# KiCad board rabbit_mask_capacitors.kicad_pcb (continued)
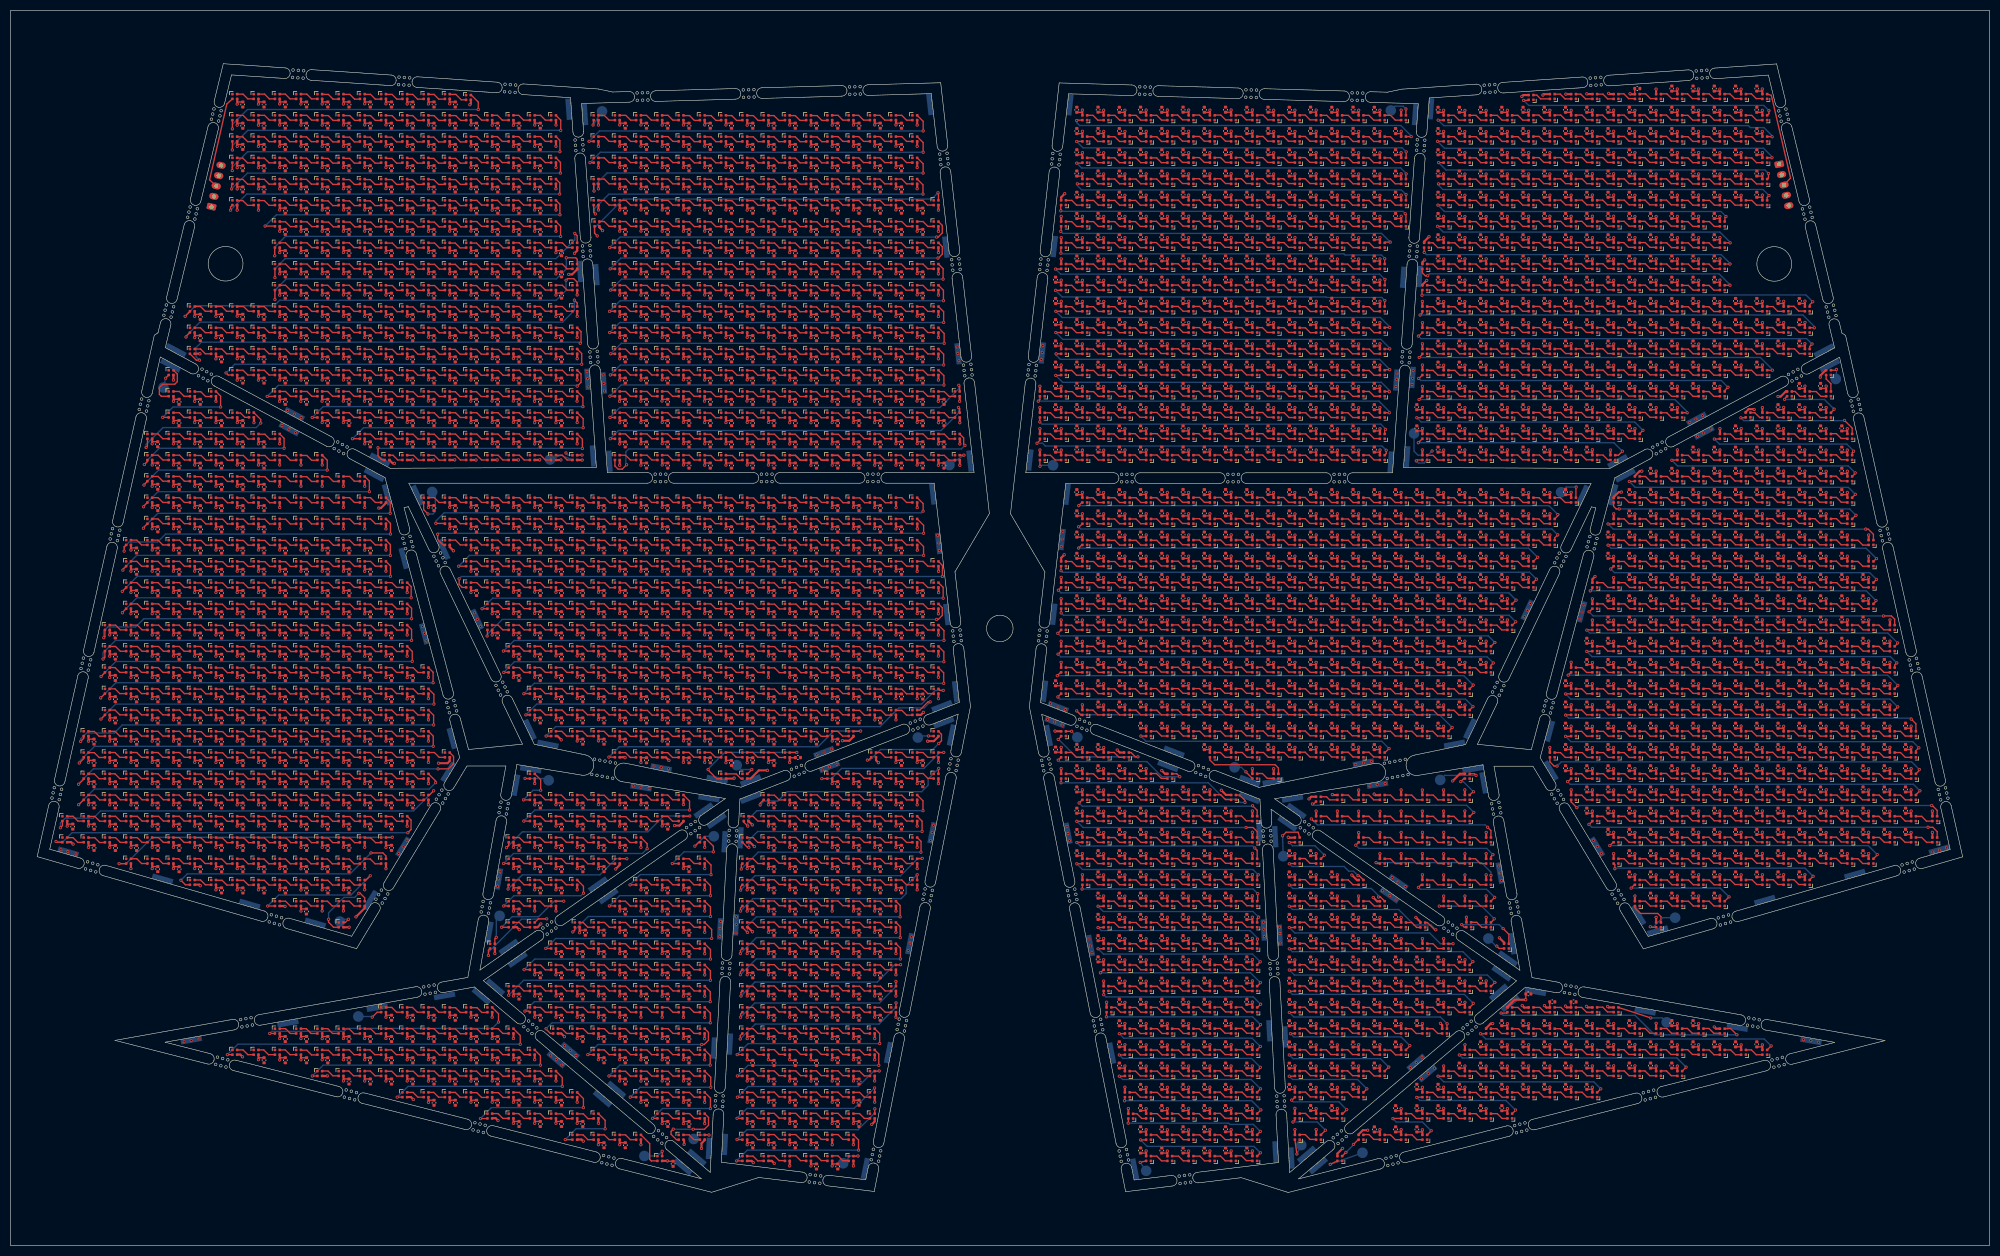
[diagram p0: board, top side]
## Placement (name value [footprint] x y rotation side) (continued)
D1761  SK6812-1515  [LED_SK6812_EC15_1.5x1.5mm]  218.2 180.36 180 top
D1762  SK6812-1515  [LED_SK6812_EC15_1.5x1.5mm]  222.2 180.36 180 top
D1763  SK6812-1515  [LED_SK6812_EC15_1.5x1.5mm]  226.2 180.36 180 top
D1764  SK6812-1515  [LED_SK6812_EC15_1.5x1.5mm]  230.2 180.36 180 top
D1765  SK6812-1515  [LED_SK6812_EC15_1.5x1.5mm]  234.2 180.36 180 top
D1766  SK6812-1515  [LED_SK6812_EC15_1.5x1.5mm]  238.2 180.36 180 top
D1767  SK6812-1515  [LED_SK6812_EC15_1.5x1.5mm]  242.2 180.36 180 top
D1768  SK6812-1515  [LED_SK6812_EC15_1.5x1.5mm]  246.2 180.36 180 top
D1769  SK6812-1515  [LED_SK6812_EC15_1.5x1.5mm]  250.2 180.36 180 top
D1770  SK6812-1515  [LED_SK6812_EC15_1.5x1.5mm]  254.2 180.36 180 top
D1771  SK6812-1515  [LED_SK6812_EC15_1.5x1.5mm]  258.2 180.36 180 top
D1772  SK6812-1515  [LED_SK6812_EC15_1.5x1.5mm]  266.2 180.36 180 top
D1773  SK6812-1515  [LED_SK6812_EC15_1.5x1.5mm]  270.2 180.36 180 top
D1774  SK6812-1515  [LED_SK6812_EC15_1.5x1.5mm]  274.2 180.36 180 top
D1775  SK6812-1515  [LED_SK6812_EC15_1.5x1.5mm]  278.2 180.36 180 top
D1776  SK6812-1515  [LED_SK6812_EC15_1.5x1.5mm]  282.2 180.36 180 top
D1777  SK6812-1515  [LED_SK6812_EC15_1.5x1.5mm]  286.2 180.36 180 top
D1778  SK6812-1515  [LED_SK6812_EC15_1.5x1.5mm]  290.2 180.36 180 top
D1779  SK6812-1515  [LED_SK6812_EC15_1.5x1.5mm]  294.2 180.36 180 top
D1780  SK6812-1515  [LED_SK6812_EC15_1.5x1.5mm]  298.2 180.36 180 top
D1781  SK6812-1515  [LED_SK6812_EC15_1.5x1.5mm]  302.2 180.36 180 top
D1782  SK6812-1515  [LED_SK6812_EC15_1.5x1.5mm]  306.2 180.36 180 top
D1783  SK6812-1515  [LED_SK6812_EC15_1.5x1.5mm]  310.2 180.36 180 top
D1784  SK6812-1515  [LED_SK6812_EC15_1.5x1.5mm]  314.2 180.36 180 top
D1785  SK6812-1515  [LED_SK6812_EC15_1.5x1.5mm]  318.2 180.36 180 top
D1786  SK6812-1515  [LED_SK6812_EC15_1.5x1.5mm]  322.2 180.36 180 top
D1787  SK6812-1515  [LED_SK6812_EC15_1.5x1.5mm]  198.2 176.36 180 top
D1788  SK6812-1515  [LED_SK6812_EC15_1.5x1.5mm]  202.2 176.36 180 top
D1789  SK6812-1515  [LED_SK6812_EC15_1.5x1.5mm]  206.2 176.36 180 top
D1790  SK6812-1515  [LED_SK6812_EC15_1.5x1.5mm]  210.2 176.36 180 top
D1791  SK6812-1515  [LED_SK6812_EC15_1.5x1.5mm]  214.2 176.36 180 top
D1792  SK6812-1515  [LED_SK6812_EC15_1.5x1.5mm]  218.2 176.36 180 top
D1793  SK6812-1515  [LED_SK6812_EC15_1.5x1.5mm]  222.2 176.36 180 top
D1794  SK6812-1515  [LED_SK6812_EC15_1.5x1.5mm]  226.2 176.36 180 top
D1795  SK6812-1515  [LED_SK6812_EC15_1.5x1.5mm]  230.2 176.36 180 top
D1796  SK6812-1515  [LED_SK6812_EC15_1.5x1.5mm]  234.2 176.36 180 top
D1797  SK6812-1515  [LED_SK6812_EC15_1.5x1.5mm]  238.2 176.36 180 top
D1798  SK6812-1515  [LED_SK6812_EC15_1.5x1.5mm]  242.2 176.36 180 top
D1799  SK6812-1515  [LED_SK6812_EC15_1.5x1.5mm]  246.2 176.36 180 top
D1800  SK6812-1515  [LED_SK6812_EC15_1.5x1.5mm]  250.2 176.36 180 top
D1801  SK6812-1515  [LED_SK6812_EC15_1.5x1.5mm]  254.2 176.36 180 top
D1802  SK6812-1515  [LED_SK6812_EC15_1.5x1.5mm]  258.2 176.36 180 top
D1803  SK6812-1515  [LED_SK6812_EC15_1.5x1.5mm]  266.2 176.36 180 top
D1804  SK6812-1515  [LED_SK6812_EC15_1.5x1.5mm]  270.2 176.36 180 top
D1805  SK6812-1515  [LED_SK6812_EC15_1.5x1.5mm]  274.2 176.36 180 top
D1806  SK6812-1515  [LED_SK6812_EC15_1.5x1.5mm]  278.2 176.36 180 top
D1807  SK6812-1515  [LED_SK6812_EC15_1.5x1.5mm]  282.2 176.36 180 top
D1808  SK6812-1515  [LED_SK6812_EC15_1.5x1.5mm]  286.2 176.36 180 top
D1809  SK6812-1515  [LED_SK6812_EC15_1.5x1.5mm]  290.2 176.36 180 top
D1810  SK6812-1515  [LED_SK6812_EC15_1.5x1.5mm]  294.2 176.36 180 top
D1811  SK6812-1515  [LED_SK6812_EC15_1.5x1.5mm]  298.2 176.36 180 top
D1812  SK6812-1515  [LED_SK6812_EC15_1.5x1.5mm]  302.2 176.36 180 top
D1813  SK6812-1515  [LED_SK6812_EC15_1.5x1.5mm]  306.2 176.36 180 top
D1814  SK6812-1515  [LED_SK6812_EC15_1.5x1.5mm]  310.2 176.36 180 top
D1815  SK6812-1515  [LED_SK6812_EC15_1.5x1.5mm]  314.2 176.36 180 top
D1816  SK6812-1515  [LED_SK6812_EC15_1.5x1.5mm]  318.2 176.36 180 top
D1817  SK6812-1515  [LED_SK6812_EC15_1.5x1.5mm]  322.2 176.36 180 top
D1818  SK6812-1515  [LED_SK6812_EC15_1.5x1.5mm]  326.2 176.36 180 top
D1819  SK6812-1515  [LED_SK6812_EC15_1.5x1.5mm]  330.2 176.36 180 top
D1820  SK6812-1515  [LED_SK6812_EC15_1.5x1.5mm]  334.2 176.36 180 top
D1821  SK6812-1515  [LED_SK6812_EC15_1.5x1.5mm]  338.2 176.36 180 top
D1822  SK6812-1515  [LED_SK6812_EC15_1.5x1.5mm]  198.2 172.36 180 top
D1823  SK6812-1515  [LED_SK6812_EC15_1.5x1.5mm]  202.2 172.36 180 top
D1824  SK6812-1515  [LED_SK6812_EC15_1.5x1.5mm]  206.2 172.36 180 top
D1825  SK6812-1515  [LED_SK6812_EC15_1.5x1.5mm]  210.2 172.36 180 top
D1826  SK6812-1515  [LED_SK6812_EC15_1.5x1.5mm]  214.2 172.36 180 top
D1827  SK6812-1515  [LED_SK6812_EC15_1.5x1.5mm]  218.2 172.36 180 top
D1828  SK6812-1515  [LED_SK6812_EC15_1.5x1.5mm]  222.2 172.36 180 top
D1829  SK6812-1515  [LED_SK6812_EC15_1.5x1.5mm]  226.2 172.36 180 top
D1830  SK6812-1515  [LED_SK6812_EC15_1.5x1.5mm]  230.2 172.36 180 top
D1831  SK6812-1515  [LED_SK6812_EC15_1.5x1.5mm]  234.2 172.36 180 top
D1832  SK6812-1515  [LED_SK6812_EC15_1.5x1.5mm]  238.2 172.36 180 top
D1833  SK6812-1515  [LED_SK6812_EC15_1.5x1.5mm]  242.2 172.36 180 top
D1834  SK6812-1515  [LED_SK6812_EC15_1.5x1.5mm]  246.2 172.36 180 top
D1835  SK6812-1515  [LED_SK6812_EC15_1.5x1.5mm]  250.2 172.36 180 top
D1836  SK6812-1515  [LED_SK6812_EC15_1.5x1.5mm]  254.2 172.36 180 top
D1837  SK6812-1515  [LED_SK6812_EC15_1.5x1.5mm]  258.2 172.36 180 top
D1838  SK6812-1515  [LED_SK6812_EC15_1.5x1.5mm]  266.2 172.36 180 top
D1839  SK6812-1515  [LED_SK6812_EC15_1.5x1.5mm]  270.2 172.36 180 top
D1840  SK6812-1515  [LED_SK6812_EC15_1.5x1.5mm]  274.2 172.36 180 top
D1841  SK6812-1515  [LED_SK6812_EC15_1.5x1.5mm]  278.2 172.36 180 top
D1842  SK6812-1515  [LED_SK6812_EC15_1.5x1.5mm]  282.2 172.36 180 top
D1843  SK6812-1515  [LED_SK6812_EC15_1.5x1.5mm]  286.2 172.36 180 top
D1844  SK6812-1515  [LED_SK6812_EC15_1.5x1.5mm]  290.2 172.36 180 top
D1845  SK6812-1515  [LED_SK6812_EC15_1.5x1.5mm]  294.2 172.36 180 top
D1846  SK6812-1515  [LED_SK6812_EC15_1.5x1.5mm]  298.2 172.36 180 top
D1847  SK6812-1515  [LED_SK6812_EC15_1.5x1.5mm]  302.2 172.36 180 top
D1848  SK6812-1515  [LED_SK6812_EC15_1.5x1.5mm]  306.2 172.36 180 top
D1849  SK6812-1515  [LED_SK6812_EC15_1.5x1.5mm]  310.2 172.36 180 top
D1850  SK6812-1515  [LED_SK6812_EC15_1.5x1.5mm]  314.2 172.36 180 top
D1851  SK6812-1515  [LED_SK6812_EC15_1.5x1.5mm]  318.2 172.36 180 top
D1852  SK6812-1515  [LED_SK6812_EC15_1.5x1.5mm]  322.2 172.36 180 top
D1853  SK6812-1515  [LED_SK6812_EC15_1.5x1.5mm]  326.2 172.36 180 top
D1854  SK6812-1515  [LED_SK6812_EC15_1.5x1.5mm]  330.2 172.36 180 top
D1855  SK6812-1515  [LED_SK6812_EC15_1.5x1.5mm]  334.2 172.36 180 top
D1856  SK6812-1515  [LED_SK6812_EC15_1.5x1.5mm]  338.2 172.36 180 top
D1857  SK6812-1515  [LED_SK6812_EC15_1.5x1.5mm]  198.2 168.36 180 top
D1858  SK6812-1515  [LED_SK6812_EC15_1.5x1.5mm]  202.2 168.36 180 top
D1859  SK6812-1515  [LED_SK6812_EC15_1.5x1.5mm]  206.2 168.36 180 top
D1860  SK6812-1515  [LED_SK6812_EC15_1.5x1.5mm]  210.2 168.36 180 top
D1861  SK6812-1515  [LED_SK6812_EC15_1.5x1.5mm]  214.2 168.36 180 top
D1862  SK6812-1515  [LED_SK6812_EC15_1.5x1.5mm]  218.2 168.36 180 top
D1863  SK6812-1515  [LED_SK6812_EC15_1.5x1.5mm]  222.2 168.36 180 top
D1864  SK6812-1515  [LED_SK6812_EC15_1.5x1.5mm]  226.2 168.36 180 top
D1865  SK6812-1515  [LED_SK6812_EC15_1.5x1.5mm]  230.2 168.36 180 top
D1866  SK6812-1515  [LED_SK6812_EC15_1.5x1.5mm]  234.2 168.36 180 top
D1867  SK6812-1515  [LED_SK6812_EC15_1.5x1.5mm]  238.2 168.36 180 top
D1868  SK6812-1515  [LED_SK6812_EC15_1.5x1.5mm]  242.2 168.36 180 top
D1869  SK6812-1515  [LED_SK6812_EC15_1.5x1.5mm]  246.2 168.36 180 top
D1870  SK6812-1515  [LED_SK6812_EC15_1.5x1.5mm]  250.2 168.36 180 top
D1871  SK6812-1515  [LED_SK6812_EC15_1.5x1.5mm]  254.2 168.36 180 top
D1872  SK6812-1515  [LED_SK6812_EC15_1.5x1.5mm]  258.2 168.36 180 top
D1873  SK6812-1515  [LED_SK6812_EC15_1.5x1.5mm]  266.2 168.36 180 top
D1874  SK6812-1515  [LED_SK6812_EC15_1.5x1.5mm]  270.2 168.36 180 top
D1875  SK6812-1515  [LED_SK6812_EC15_1.5x1.5mm]  274.2 168.36 180 top
D1876  SK6812-1515  [LED_SK6812_EC15_1.5x1.5mm]  278.2 168.36 180 top
D1877  SK6812-1515  [LED_SK6812_EC15_1.5x1.5mm]  282.2 168.36 180 top
D1878  SK6812-1515  [LED_SK6812_EC15_1.5x1.5mm]  286.2 168.36 180 top
D1879  SK6812-1515  [LED_SK6812_EC15_1.5x1.5mm]  290.2 168.36 180 top
D1880  SK6812-1515  [LED_SK6812_EC15_1.5x1.5mm]  294.2 168.36 180 top
D1881  SK6812-1515  [LED_SK6812_EC15_1.5x1.5mm]  298.2 168.36 180 top
D1882  SK6812-1515  [LED_SK6812_EC15_1.5x1.5mm]  302.2 168.36 180 top
D1883  SK6812-1515  [LED_SK6812_EC15_1.5x1.5mm]  306.2 168.36 180 top
D1884  SK6812-1515  [LED_SK6812_EC15_1.5x1.5mm]  310.2 168.36 180 top
D1885  SK6812-1515  [LED_SK6812_EC15_1.5x1.5mm]  314.2 168.36 180 top
D1886  SK6812-1515  [LED_SK6812_EC15_1.5x1.5mm]  318.2 168.36 180 top
D1887  SK6812-1515  [LED_SK6812_EC15_1.5x1.5mm]  322.2 168.36 180 top
D1888  SK6812-1515  [LED_SK6812_EC15_1.5x1.5mm]  326.2 168.36 180 top
D1889  SK6812-1515  [LED_SK6812_EC15_1.5x1.5mm]  330.2 168.36 180 top
D1890  SK6812-1515  [LED_SK6812_EC15_1.5x1.5mm]  334.2 168.36 180 top
D1891  SK6812-1515  [LED_SK6812_EC15_1.5x1.5mm]  338.2 168.36 180 top
D1892  SK6812-1515  [LED_SK6812_EC15_1.5x1.5mm]  198.2 164.36 180 top
D1893  SK6812-1515  [LED_SK6812_EC15_1.5x1.5mm]  202.2 164.36 180 top
D1894  SK6812-1515  [LED_SK6812_EC15_1.5x1.5mm]  206.2 164.36 180 top
D1895  SK6812-1515  [LED_SK6812_EC15_1.5x1.5mm]  210.2 164.36 180 top
D1896  SK6812-1515  [LED_SK6812_EC15_1.5x1.5mm]  214.2 164.36 180 top
D1897  SK6812-1515  [LED_SK6812_EC15_1.5x1.5mm]  218.2 164.36 180 top
D1898  SK6812-1515  [LED_SK6812_EC15_1.5x1.5mm]  222.2 164.36 180 top
D1899  SK6812-1515  [LED_SK6812_EC15_1.5x1.5mm]  226.2 164.36 180 top
D1900  SK6812-1515  [LED_SK6812_EC15_1.5x1.5mm]  230.2 164.36 180 top
D1901  SK6812-1515  [LED_SK6812_EC15_1.5x1.5mm]  234.2 164.36 180 top
D1902  SK6812-1515  [LED_SK6812_EC15_1.5x1.5mm]  238.2 164.36 180 top
D1903  SK6812-1515  [LED_SK6812_EC15_1.5x1.5mm]  242.2 164.36 180 top
D1904  SK6812-1515  [LED_SK6812_EC15_1.5x1.5mm]  246.2 164.36 180 top
D1905  SK6812-1515  [LED_SK6812_EC15_1.5x1.5mm]  250.2 164.36 180 top
D1906  SK6812-1515  [LED_SK6812_EC15_1.5x1.5mm]  254.2 164.36 180 top
D1907  SK6812-1515  [LED_SK6812_EC15_1.5x1.5mm]  258.2 164.36 180 top
D1908  SK6812-1515  [LED_SK6812_EC15_1.5x1.5mm]  266.2 164.36 180 top
D1909  SK6812-1515  [LED_SK6812_EC15_1.5x1.5mm]  270.2 164.36 180 top
D1910  SK6812-1515  [LED_SK6812_EC15_1.5x1.5mm]  274.2 164.36 180 top
D1911  SK6812-1515  [LED_SK6812_EC15_1.5x1.5mm]  278.2 164.36 180 top
D1912  SK6812-1515  [LED_SK6812_EC15_1.5x1.5mm]  282.2 164.36 180 top
D1913  SK6812-1515  [LED_SK6812_EC15_1.5x1.5mm]  286.2 164.36 180 top
D1914  SK6812-1515  [LED_SK6812_EC15_1.5x1.5mm]  290.2 164.36 180 top
D1915  SK6812-1515  [LED_SK6812_EC15_1.5x1.5mm]  294.2 164.36 180 top
D1916  SK6812-1515  [LED_SK6812_EC15_1.5x1.5mm]  298.2 164.36 180 top
D1917  SK6812-1515  [LED_SK6812_EC15_1.5x1.5mm]  302.2 164.36 180 top
D1918  SK6812-1515  [LED_SK6812_EC15_1.5x1.5mm]  306.2 164.36 180 top
D1919  SK6812-1515  [LED_SK6812_EC15_1.5x1.5mm]  310.2 164.36 180 top
D1920  SK6812-1515  [LED_SK6812_EC15_1.5x1.5mm]  314.2 164.36 180 top
D1921  SK6812-1515  [LED_SK6812_EC15_1.5x1.5mm]  318.2 164.36 180 top
D1922  SK6812-1515  [LED_SK6812_EC15_1.5x1.5mm]  322.2 164.36 180 top
D1923  SK6812-1515  [LED_SK6812_EC15_1.5x1.5mm]  326.2 164.36 180 top
D1924  SK6812-1515  [LED_SK6812_EC15_1.5x1.5mm]  330.2 164.36 180 top
D1925  SK6812-1515  [LED_SK6812_EC15_1.5x1.5mm]  342.2 164.36 180 top
D1926  SK6812-1515  [LED_SK6812_EC15_1.5x1.5mm]  194.2 160.36 180 top
D1927  SK6812-1515  [LED_SK6812_EC15_1.5x1.5mm]  198.2 160.36 180 top
D1928  SK6812-1515  [LED_SK6812_EC15_1.5x1.5mm]  202.2 160.36 180 top
D1929  SK6812-1515  [LED_SK6812_EC15_1.5x1.5mm]  206.2 160.36 180 top
D1930  SK6812-1515  [LED_SK6812_EC15_1.5x1.5mm]  210.2 160.36 180 top
D1931  SK6812-1515  [LED_SK6812_EC15_1.5x1.5mm]  214.2 160.36 180 top
D1932  SK6812-1515  [LED_SK6812_EC15_1.5x1.5mm]  218.2 160.36 180 top
D1933  SK6812-1515  [LED_SK6812_EC15_1.5x1.5mm]  222.2 160.36 180 top
D1934  SK6812-1515  [LED_SK6812_EC15_1.5x1.5mm]  226.2 160.36 180 top
D1935  SK6812-1515  [LED_SK6812_EC15_1.5x1.5mm]  230.2 160.36 180 top
D1936  SK6812-1515  [LED_SK6812_EC15_1.5x1.5mm]  234.2 160.36 180 top
D1937  SK6812-1515  [LED_SK6812_EC15_1.5x1.5mm]  238.2 160.36 180 top
D1938  SK6812-1515  [LED_SK6812_EC15_1.5x1.5mm]  242.2 160.36 180 top
D1939  SK6812-1515  [LED_SK6812_EC15_1.5x1.5mm]  246.2 160.36 180 top
D1940  SK6812-1515  [LED_SK6812_EC15_1.5x1.5mm]  250.2 160.36 180 top
D1941  SK6812-1515  [LED_SK6812_EC15_1.5x1.5mm]  254.2 160.36 180 top
D1942  SK6812-1515  [LED_SK6812_EC15_1.5x1.5mm]  258.2 160.36 180 top
D1943  SK6812-1515  [LED_SK6812_EC15_1.5x1.5mm]  266.2 160.36 180 top
D1944  SK6812-1515  [LED_SK6812_EC15_1.5x1.5mm]  270.2 160.36 180 top
D1945  SK6812-1515  [LED_SK6812_EC15_1.5x1.5mm]  274.2 160.36 180 top
D1946  SK6812-1515  [LED_SK6812_EC15_1.5x1.5mm]  278.2 160.36 180 top
D1947  SK6812-1515  [LED_SK6812_EC15_1.5x1.5mm]  282.2 160.36 180 top
D1948  SK6812-1515  [LED_SK6812_EC15_1.5x1.5mm]  286.2 160.36 180 top
D1949  SK6812-1515  [LED_SK6812_EC15_1.5x1.5mm]  290.2 160.36 180 top
D1950  SK6812-1515  [LED_SK6812_EC15_1.5x1.5mm]  294.2 160.36 180 top
D1951  SK6812-1515  [LED_SK6812_EC15_1.5x1.5mm]  298.2 160.36 180 top
D1952  SK6812-1515  [LED_SK6812_EC15_1.5x1.5mm]  302.2 160.36 180 top
D1953  SK6812-1515  [LED_SK6812_EC15_1.5x1.5mm]  306.2 160.36 180 top
D1954  SK6812-1515  [LED_SK6812_EC15_1.5x1.5mm]  310.2 160.36 180 top
D1955  SK6812-1515  [LED_SK6812_EC15_1.5x1.5mm]  314.2 160.36 180 top
D1956  SK6812-1515  [LED_SK6812_EC15_1.5x1.5mm]  318.2 160.36 180 top
D1957  SK6812-1515  [LED_SK6812_EC15_1.5x1.5mm]  322.2 160.36 180 top
D1958  SK6812-1515  [LED_SK6812_EC15_1.5x1.5mm]  334.85 160.36 180 top
D1959  SK6812-1515  [LED_SK6812_EC15_1.5x1.5mm]  338.2 160.36 180 top
D1960  SK6812-1515  [LED_SK6812_EC15_1.5x1.5mm]  342.2 160.36 180 top
D1961  SK6812-1515  [LED_SK6812_EC15_1.5x1.5mm]  194.2 156.36 180 top
D1962  SK6812-1515  [LED_SK6812_EC15_1.5x1.5mm]  198.2 156.36 180 top
D1963  SK6812-1515  [LED_SK6812_EC15_1.5x1.5mm]  202.2 156.36 180 top
D1964  SK6812-1515  [LED_SK6812_EC15_1.5x1.5mm]  206.2 156.36 180 top
D1965  SK6812-1515  [LED_SK6812_EC15_1.5x1.5mm]  210.2 156.36 180 top
D1966  SK6812-1515  [LED_SK6812_EC15_1.5x1.5mm]  214.2 156.36 180 top
D1967  SK6812-1515  [LED_SK6812_EC15_1.5x1.5mm]  218.2 156.36 180 top
D1968  SK6812-1515  [LED_SK6812_EC15_1.5x1.5mm]  222.2 156.36 180 top
D1969  SK6812-1515  [LED_SK6812_EC15_1.5x1.5mm]  226.2 156.36 180 top
D1970  SK6812-1515  [LED_SK6812_EC15_1.5x1.5mm]  230.2 156.36 180 top
D1971  SK6812-1515  [LED_SK6812_EC15_1.5x1.5mm]  234.2 156.36 180 top
D1972  SK6812-1515  [LED_SK6812_EC15_1.5x1.5mm]  238.2 156.36 180 top
D1973  SK6812-1515  [LED_SK6812_EC15_1.5x1.5mm]  242.2 156.36 180 top
D1974  SK6812-1515  [LED_SK6812_EC15_1.5x1.5mm]  246.2 156.36 180 top
D1975  SK6812-1515  [LED_SK6812_EC15_1.5x1.5mm]  250.2 156.36 180 top
D1976  SK6812-1515  [LED_SK6812_EC15_1.5x1.5mm]  254.2 156.36 180 top
D1977  SK6812-1515  [LED_SK6812_EC15_1.5x1.5mm]  258.2 156.36 180 top
D1978  SK6812-1515  [LED_SK6812_EC15_1.5x1.5mm]  266.2 156.36 180 top
D1979  SK6812-1515  [LED_SK6812_EC15_1.5x1.5mm]  270.2 156.36 180 top
D1980  SK6812-1515  [LED_SK6812_EC15_1.5x1.5mm]  274.2 156.36 180 top
D1981  SK6812-1515  [LED_SK6812_EC15_1.5x1.5mm]  278.2 156.36 180 top
D1982  SK6812-1515  [LED_SK6812_EC15_1.5x1.5mm]  282.2 156.36 180 top
D1983  SK6812-1515  [LED_SK6812_EC15_1.5x1.5mm]  286.2 156.36 180 top
D1984  SK6812-1515  [LED_SK6812_EC15_1.5x1.5mm]  290.2 156.36 180 top
D1985  SK6812-1515  [LED_SK6812_EC15_1.5x1.5mm]  294.2 156.36 180 top
D1986  SK6812-1515  [LED_SK6812_EC15_1.5x1.5mm]  298.2 156.36 180 top
D1987  SK6812-1515  [LED_SK6812_EC15_1.5x1.5mm]  302.2 156.36 180 top
D1988  SK6812-1515  [LED_SK6812_EC15_1.5x1.5mm]  306.2 156.36 180 top
D1989  SK6812-1515  [LED_SK6812_EC15_1.5x1.5mm]  310.2 156.36 180 top
D1990  SK6812-1515  [LED_SK6812_EC15_1.5x1.5mm]  314.2 156.36 180 top
D1991  SK6812-1515  [LED_SK6812_EC15_1.5x1.5mm]  327.05 156.39 180 top
D1992  SK6812-1515  [LED_SK6812_EC15_1.5x1.5mm]  330.2 156.36 180 top
D1993  SK6812-1515  [LED_SK6812_EC15_1.5x1.5mm]  334.2 156.36 180 top
D1994  SK6812-1515  [LED_SK6812_EC15_1.5x1.5mm]  338.2 156.36 180 top
D1995  SK6812-1515  [LED_SK6812_EC15_1.5x1.5mm]  342.2 156.36 180 top
D1996  SK6812-1515  [LED_SK6812_EC15_1.5x1.5mm]  194.2 152.36 180 top
D1997  SK6812-1515  [LED_SK6812_EC15_1.5x1.5mm]  198.2 152.36 180 top
D1998  SK6812-1515  [LED_SK6812_EC15_1.5x1.5mm]  202.2 152.36 180 top
D1999  SK6812-1515  [LED_SK6812_EC15_1.5x1.5mm]  206.2 152.36 180 top
D2000  SK6812-1515  [LED_SK6812_EC15_1.5x1.5mm]  210.2 152.36 180 top
D2001  SK6812-1515  [LED_SK6812_EC15_1.5x1.5mm]  214.2 152.36 180 top
D2002  SK6812-1515  [LED_SK6812_EC15_1.5x1.5mm]  218.2 152.36 180 top
D2003  SK6812-1515  [LED_SK6812_EC15_1.5x1.5mm]  222.2 152.36 180 top
D2004  SK6812-1515  [LED_SK6812_EC15_1.5x1.5mm]  226.2 152.36 180 top
D2005  SK6812-1515  [LED_SK6812_EC15_1.5x1.5mm]  230.2 152.36 180 top
D2006  SK6812-1515  [LED_SK6812_EC15_1.5x1.5mm]  234.2 152.36 180 top
D2007  SK6812-1515  [LED_SK6812_EC15_1.5x1.5mm]  238.2 152.36 180 top
D2008  SK6812-1515  [LED_SK6812_EC15_1.5x1.5mm]  242.2 152.36 180 top
D2009  SK6812-1515  [LED_SK6812_EC15_1.5x1.5mm]  246.2 152.36 180 top
D2010  SK6812-1515  [LED_SK6812_EC15_1.5x1.5mm]  250.2 152.36 180 top
D2011  SK6812-1515  [LED_SK6812_EC15_1.5x1.5mm]  254.2 152.36 180 top
D2012  SK6812-1515  [LED_SK6812_EC15_1.5x1.5mm]  258.2 152.36 180 top
D2013  SK6812-1515  [LED_SK6812_EC15_1.5x1.5mm]  266.2 152.36 180 top
D2014  SK6812-1515  [LED_SK6812_EC15_1.5x1.5mm]  270.2 152.36 180 top
D2015  SK6812-1515  [LED_SK6812_EC15_1.5x1.5mm]  274.2 152.36 180 top
D2016  SK6812-1515  [LED_SK6812_EC15_1.5x1.5mm]  278.2 152.36 180 top
D2017  SK6812-1515  [LED_SK6812_EC15_1.5x1.5mm]  282.2 152.36 180 top
D2018  SK6812-1515  [LED_SK6812_EC15_1.5x1.5mm]  286.2 152.36 180 top
D2019  SK6812-1515  [LED_SK6812_EC15_1.5x1.5mm]  290.2 152.36 180 top
D2020  SK6812-1515  [LED_SK6812_EC15_1.5x1.5mm]  294.2 152.36 180 top
D2021  SK6812-1515  [LED_SK6812_EC15_1.5x1.5mm]  298.2 152.36 180 top
D2022  SK6812-1515  [LED_SK6812_EC15_1.5x1.5mm]  302.2 152.36 180 top
D2023  SK6812-1515  [LED_SK6812_EC15_1.5x1.5mm]  306.2 152.36 180 top
D2024  SK6812-1515  [LED_SK6812_EC15_1.5x1.5mm]  322.2 152.36 180 top
D2025  SK6812-1515  [LED_SK6812_EC15_1.5x1.5mm]  326.2 152.36 180 top
D2026  SK6812-1515  [LED_SK6812_EC15_1.5x1.5mm]  330.2 152.36 180 top
D2027  SK6812-1515  [LED_SK6812_EC15_1.5x1.5mm]  334.2 152.36 180 top
D2028  SK6812-1515  [LED_SK6812_EC15_1.5x1.5mm]  338.2 152.36 180 top
D2029  SK6812-1515  [LED_SK6812_EC15_1.5x1.5mm]  342.2 152.36 180 top
D2030  SK6812-1515  [LED_SK6812_EC15_1.5x1.5mm]  346.2 152.36 180 top
D2031  SK6812-1515  [LED_SK6812_EC15_1.5x1.5mm]  194.2 148.36 180 top
D2032  SK6812-1515  [LED_SK6812_EC15_1.5x1.5mm]  198.2 148.36 180 top
D2033  SK6812-1515  [LED_SK6812_EC15_1.5x1.5mm]  202.2 148.36 180 top
D2034  SK6812-1515  [LED_SK6812_EC15_1.5x1.5mm]  206.2 148.36 180 top
D2035  SK6812-1515  [LED_SK6812_EC15_1.5x1.5mm]  210.2 148.36 180 top
D2036  SK6812-1515  [LED_SK6812_EC15_1.5x1.5mm]  214.2 148.36 180 top
D2037  SK6812-1515  [LED_SK6812_EC15_1.5x1.5mm]  218.2 148.36 180 top
D2038  SK6812-1515  [LED_SK6812_EC15_1.5x1.5mm]  222.2 148.36 180 top
D2039  SK6812-1515  [LED_SK6812_EC15_1.5x1.5mm]  226.2 148.36 180 top
D2040  SK6812-1515  [LED_SK6812_EC15_1.5x1.5mm]  230.2 148.36 180 top
D2041  SK6812-1515  [LED_SK6812_EC15_1.5x1.5mm]  234.2 148.36 180 top
D2042  SK6812-1515  [LED_SK6812_EC15_1.5x1.5mm]  238.2 148.36 180 top
D2043  SK6812-1515  [LED_SK6812_EC15_1.5x1.5mm]  242.2 148.36 180 top
D2044  SK6812-1515  [LED_SK6812_EC15_1.5x1.5mm]  246.2 148.36 180 top
D2045  SK6812-1515  [LED_SK6812_EC15_1.5x1.5mm]  250.2 148.36 180 top
D2046  SK6812-1515  [LED_SK6812_EC15_1.5x1.5mm]  254.2 148.36 180 top
D2047  SK6812-1515  [LED_SK6812_EC15_1.5x1.5mm]  258.2 148.36 180 top
D2048  SK6812-1515  [LED_SK6812_EC15_1.5x1.5mm]  266.2 148.36 180 top
D2049  SK6812-1515  [LED_SK6812_EC15_1.5x1.5mm]  270.2 148.36 180 top
D2050  SK6812-1515  [LED_SK6812_EC15_1.5x1.5mm]  274.2 148.36 180 top
D2051  SK6812-1515  [LED_SK6812_EC15_1.5x1.5mm]  278.2 148.36 180 top
D2052  SK6812-1515  [LED_SK6812_EC15_1.5x1.5mm]  282.2 148.36 180 top
D2053  SK6812-1515  [LED_SK6812_EC15_1.5x1.5mm]  286.2 148.36 180 top
D2054  SK6812-1515  [LED_SK6812_EC15_1.5x1.5mm]  290.2 148.36 180 top
D2055  SK6812-1515  [LED_SK6812_EC15_1.5x1.5mm]  294.2 148.36 180 top
D2056  SK6812-1515  [LED_SK6812_EC15_1.5x1.5mm]  298.2 148.36 180 top
D2057  SK6812-1515  [LED_SK6812_EC15_1.5x1.5mm]  301.6 148.36 180 top
D2058  SK6812-1515  [LED_SK6812_EC15_1.5x1.5mm]  314.2 148.36 180 top
D2059  SK6812-1515  [LED_SK6812_EC15_1.5x1.5mm]  318.2 148.36 180 top
D2060  SK6812-1515  [LED_SK6812_EC15_1.5x1.5mm]  322.2 148.36 180 top
D2061  SK6812-1515  [LED_SK6812_EC15_1.5x1.5mm]  326.2 148.36 180 top
D2062  SK6812-1515  [LED_SK6812_EC15_1.5x1.5mm]  330.2 148.36 180 top
D2063  SK6812-1515  [LED_SK6812_EC15_1.5x1.5mm]  334.2 148.36 180 top
D2064  SK6812-1515  [LED_SK6812_EC15_1.5x1.5mm]  338.2 148.36 180 top
D2065  SK6812-1515  [LED_SK6812_EC15_1.5x1.5mm]  342.2 148.36 180 top
D2066  SK6812-1515  [LED_SK6812_EC15_1.5x1.5mm]  346.2 148.36 180 top
D2067  SK6812-1515  [LED_SK6812_EC15_1.5x1.5mm]  306.2 144.36 180 top
D2068  SK6812-1515  [LED_SK6812_EC15_1.5x1.5mm]  310.2 144.36 180 top
D2069  SK6812-1515  [LED_SK6812_EC15_1.5x1.5mm]  314.2 144.36 180 top
D2070  SK6812-1515  [LED_SK6812_EC15_1.5x1.5mm]  318.2 144.36 180 top
D2071  SK6812-1515  [LED_SK6812_EC15_1.5x1.5mm]  322.2 144.36 180 top
D2072  SK6812-1515  [LED_SK6812_EC15_1.5x1.5mm]  326.2 144.36 180 top
D2073  SK6812-1515  [LED_SK6812_EC15_1.5x1.5mm]  330.2 144.36 180 top
D2074  SK6812-1515  [LED_SK6812_EC15_1.5x1.5mm]  334.2 144.36 180 top
D2075  SK6812-1515  [LED_SK6812_EC15_1.5x1.5mm]  338.2 144.36 180 top
D2076  SK6812-1515  [LED_SK6812_EC15_1.5x1.5mm]  342.2 144.36 180 top
D2077  SK6812-1515  [LED_SK6812_EC15_1.5x1.5mm]  346.2 144.36 180 top
D2078  SK6812-1515  [LED_SK6812_EC15_1.5x1.5mm]  202.2 140.36 180 top
D2079  SK6812-1515  [LED_SK6812_EC15_1.5x1.5mm]  206.2 140.36 180 top
D2080  SK6812-1515  [LED_SK6812_EC15_1.5x1.5mm]  210.2 140.36 180 top
D2081  SK6812-1515  [LED_SK6812_EC15_1.5x1.5mm]  214.2 140.36 180 top
D2082  SK6812-1515  [LED_SK6812_EC15_1.5x1.5mm]  218.2 140.36 180 top
D2083  SK6812-1515  [LED_SK6812_EC15_1.5x1.5mm]  222.2 140.36 180 top
D2084  SK6812-1515  [LED_SK6812_EC15_1.5x1.5mm]  226.2 140.36 180 top
D2085  SK6812-1515  [LED_SK6812_EC15_1.5x1.5mm]  230.2 140.36 180 top
D2086  SK6812-1515  [LED_SK6812_EC15_1.5x1.5mm]  234.2 140.36 180 top
D2087  SK6812-1515  [LED_SK6812_EC15_1.5x1.5mm]  238.2 140.36 180 top
D2088  SK6812-1515  [LED_SK6812_EC15_1.5x1.5mm]  242.2 140.36 180 top
D2089  SK6812-1515  [LED_SK6812_EC15_1.5x1.5mm]  246.2 140.36 180 top
D2090  SK6812-1515  [LED_SK6812_EC15_1.5x1.5mm]  250.2 140.36 180 top
D2091  SK6812-1515  [LED_SK6812_EC15_1.5x1.5mm]  254.2 140.36 180 top
D2092  SK6812-1515  [LED_SK6812_EC15_1.5x1.5mm]  258.2 140.36 180 top
D2093  SK6812-1515  [LED_SK6812_EC15_1.5x1.5mm]  262.2 140.36 180 top
D2094  SK6812-1515  [LED_SK6812_EC15_1.5x1.5mm]  266.2 140.36 180 top
D2095  SK6812-1515  [LED_SK6812_EC15_1.5x1.5mm]  270.2 140.36 180 top
D2096  SK6812-1515  [LED_SK6812_EC15_1.5x1.5mm]  274.2 140.36 180 top
D2097  SK6812-1515  [LED_SK6812_EC15_1.5x1.5mm]  278.2 140.36 180 top
D2098  SK6812-1515  [LED_SK6812_EC15_1.5x1.5mm]  282.2 140.36 180 top
D2099  SK6812-1515  [LED_SK6812_EC15_1.5x1.5mm]  286.2 140.36 180 top
D2100  SK6812-1515  [LED_SK6812_EC15_1.5x1.5mm]  290.2 140.36 180 top
D2101  SK6812-1515  [LED_SK6812_EC15_1.5x1.5mm]  294.2 140.36 180 top
D2102  SK6812-1515  [LED_SK6812_EC15_1.5x1.5mm]  302.2 140.36 180 top
D2103  SK6812-1515  [LED_SK6812_EC15_1.5x1.5mm]  306.2 140.36 180 top
D2104  SK6812-1515  [LED_SK6812_EC15_1.5x1.5mm]  310.2 140.36 180 top
D2105  SK6812-1515  [LED_SK6812_EC15_1.5x1.5mm]  314.2 140.36 180 top
D2106  SK6812-1515  [LED_SK6812_EC15_1.5x1.5mm]  318.2 140.36 180 top
D2107  SK6812-1515  [LED_SK6812_EC15_1.5x1.5mm]  322.2 140.36 180 top
D2108  SK6812-1515  [LED_SK6812_EC15_1.5x1.5mm]  326.2 140.36 180 top
D2109  SK6812-1515  [LED_SK6812_EC15_1.5x1.5mm]  330.2 140.36 180 top
D2110  SK6812-1515  [LED_SK6812_EC15_1.5x1.5mm]  334.2 140.36 180 top
D2111  SK6812-1515  [LED_SK6812_EC15_1.5x1.5mm]  338.2 140.36 180 top
D2112  SK6812-1515  [LED_SK6812_EC15_1.5x1.5mm]  342.2 140.36 180 top
D2113  SK6812-1515  [LED_SK6812_EC15_1.5x1.5mm]  346.2 140.36 180 top
D2114  SK6812-1515  [LED_SK6812_EC15_1.5x1.5mm]  202.2 136.36 180 top
D2115  SK6812-1515  [LED_SK6812_EC15_1.5x1.5mm]  206.2 136.36 180 top
D2116  SK6812-1515  [LED_SK6812_EC15_1.5x1.5mm]  210.2 136.36 180 top
